# KiCad board haptic display 8x8 aisler.kicad_pcb (continued)
## Routing (per net, layer and track width the routed paths; a pad name or vN(x,y) marks a point on that pad's centre or on a via; arc(x,y) is an arc through that point) (continued)
96.19,66.73 96.4,66.57 96.58,66.4 96.74,66.2 96.88,65.98 96.99,65.75 97.07,65.51 97.12,65.26 97.14,65 97.13,64.74 97.08,64.49 97.01,64.24 96.91,64 96.78,63.77 96.62,63.56 96.44,63.37 96.24,63.21 96.01,63.07 95.78,62.96 95.52,62.87 95.26,62.82 95,62.8 94.75,62.81 94.51,62.85 94.27,62.91 94.04,63 93.82,63.12 93.61,63.26 93.42,63.42 93.25,63.61 93.1,63.81 92.98,64.03 92.88,64.26 92.8,64.5 92.76,64.75 92.74,65 92.75,65.25 92.79,65.51 92.85,65.75 92.95,65.99 93.07,66.22 93.21,66.43 93.38,66.62 93.57,66.8 93.77,66.95 94,67.08 94.24,67.18 94.48,67.26 94.74,67.31 95,67.33 95.26,67.31 95.52,67.28 95.77,67.21 96.02,67.11 96.25,66.99 96.47,66.84 96.67,66.67 96.85,66.47 97,66.26 97.13,66.03 97.24,65.78 97.32,65.53 97.37,65.27 97.39,65 97.38,64.73 97.34,64.47 97.27,64.21 97.17,63.96 97.04,63.72 96.89,63.49 96.71,63.29 96.51,63.11 96.29,62.94 96.06,62.81 95.8,62.7 95.54,62.62 95.27,62.57 95,62.55 94.74,62.56 94.49,62.6 94.24,62.66 94,62.75 93.76,62.86 93.55,63 93.34,63.16 93.15,63.34 92.99,63.54 92.84,63.75 92.72,63.98 92.62,64.23 92.55,64.48 92.51,64.74 92.49,65 92.5,65.26 92.53,65.52 92.6,65.78 92.69,66.03 92.81,66.27 92.95,66.49 93.11,66.7 93.3,66.89 93.5,67.06 93.72,67.21 93.96,67.34 94.21,67.44 94.47,67.51 94.73,67.56 95,67.58 95.27,67.57 95.54,67.53 95.8,67.46 96.05,67.37 96.3,67.25 96.53,67.1 96.74,66.94 96.94,66.75 97.11,66.54 97.27,66.31 97.39,66.07 97.5,65.81 97.57,65.55 97.62,65.28 97.64,65 97.63,64.72 97.59,64.45 97.52,64.18 97.42,63.92 97.3,63.67 97.15,63.44 96.98,63.22 96.79,63.02 96.57,62.84 96.34,62.68 96.09,62.55 95.83,62.44 95.56,62.37 95.28,62.32 95,62.3 94.73,62.31 94.47,62.34 94.21,62.41 93.96,62.49 93.72,62.6 93.49,62.74 93.27,62.89 93.07,63.07 92.89,63.26 92.72,63.48 92.58,63.71 92.46,63.95 92.37,64.2 92.3,64.46 92.25,64.73 92.24,65 92.25,65.27 92.28,65.54 92.35,65.81 92.43,66.06 92.55,66.31 92.68,66.55 92.84,66.77 93.02,66.98 93.23,67.16 93.44,67.33 93.68,67.47 93.92,67.6 94.18,67.69 94.45,67.76 94.72,67.81 95,67.83 95.28,67.82 95.55,67.78 95.82,67.71 96.09,67.62 96.34,67.51 96.58,67.37 96.81,67.2 97.02,67.02 97.21,66.81 97.38,66.59 97.53,66.35 97.65,66.1 97.75,65.83 97.82,65.56 97.87,65.28 97.89,65 97.88,64.72 97.84,64.44 97.77,64.16 97.68,63.89 97.56,63.63 97.42,63.38 97.25,63.15 97.06,62.94 96.85,62.74 96.63,62.57 96.38,62.42 96.12,62.29 95.85,62.19 95.57,62.11 95.29,62.07 95,62.05 94.73,62.06 94.46,62.09 94.19,62.15 93.93,62.24 93.68,62.34 93.44,62.47 93.21,62.63 92.99,62.8 92.8,62.99 92.62,63.2 92.46,63.43 92.32,63.67 92.2,63.92 92.11,64.18 92.05,64.45 92,64.72 91.99,65 92,65.28 92.03,65.55 92.09,65.83 92.18,66.09 92.29,66.35 92.42,66.6 92.58,66.83 92.75,67.05 92.95,67.25 93.16,67.43 93.39,67.6 93.64,67.74 93.89,67.85 94.16,67.95 94.44,68.02 94.72,68.06 95,68.08 95.28,68.07 95.57,68.03 95.84,67.97 96.12,67.88 96.38,67.77 96.63,67.63 96.87,67.47 97.09,67.29 97.3,67.09 97.48,66.88 97.65,66.64 97.79,66.39 97.91,66.13 98.01,65.86 98.08,65.58 98.12,65.29 98.14,65 98.13,64.71 98.09,64.42 98.03,64.14 97.94,63.86 97.83,63.59 97.69,63.34 97.52,63.09 97.34,62.87 97.14,62.66 96.91,62.47 96.67,62.3 96.42,62.15 96.15,62.03 95.87,61.93 95.59,61.86 95.29,61.82 95,61.8 94.72,61.81 94.44,61.84 94.17,61.9 93.9,61.98 93.64,62.08 93.39,62.21 93.15,62.36 92.93,62.53 92.72,62.72 92.52,62.92 92.35,63.14 92.19,63.38 92.06,63.63 91.95,63.89 91.86,64.16 91.79,64.43 91.75,64.72 91.74,65 91.75,65.28 91.78,65.57 91.84,65.85 91.92,66.12 92.03,66.39 92.16,66.64 92.31,66.89 92.48,67.11 92.67,67.33 92.88,67.53 93.11,67.7 93.35,67.86 93.6,68 93.87,68.11 94.14,68.2 94.42,68.27 94.71,68.31 95,68.33 95.29,68.32 95.58,68.28 95.86,68.22 96.14,68.14 96.41,68.03 96.67,67.9 96.92,67.74 97.16,67.57 97.37,67.37 97.57,67.16 97.75,66.93 97.92,66.68 98.05,66.42 98.17,66.15 98.26,65.87 98.33,65.59 98.37,65.29 98.39,65 98.38,64.7 98.34,64.41 98.28,64.12 98.2,63.84 98.09,63.56 97.95,63.3 97.79,63.04 97.62,62.8 97.42,62.58 97.2,62.38 96.96,62.19 96.71,62.03 96.45,61.89 96.18,61.77 95.89,61.68 95.6,61.61 95.3,61.57 95,61.55 94.71,61.56 94.43,61.59 94.15,61.65 93.88,61.72 93.61,61.83 93.35,61.95 93.1,62.09 92.86,62.26 92.64,62.44 92.44,62.64 92.25,62.86 92.08,63.09 91.93,63.34 91.8,63.6 91.69,63.86 91.6,64.14 91.54,64.42 91.5,64.71 91.49,65 91.5,65.29 91.53,65.58 91.59,65.86 91.67,66.14 91.77,66.42 91.89,66.68 92.04,66.93 92.21,67.17 92.39,67.4 92.6,67.61 92.82,67.8 93.06,67.97 93.31,68.13 93.57,68.26 93.84,68.37 94.12,68.46 94.41,68.52 94.71,68.56 95,68.58 95.3,68.57 95.59,68.53 95.88,68.48 96.17,68.39 96.44,68.29 96.71,68.16 96.97,68.01 97.21,67.84 97.44,67.65 97.65,67.44 97.85,67.22 98.03,66.98 98.18,66.72 98.32,66.45 98.43,66.18 98.52,65.89 98.58,65.6 98.62,65.3 98.64,65 98.63,64.7 98.59,64.4 98.54,64.1 98.45,63.81 98.35,63.53 98.22,63.26 98.06,63 97.89,62.75 97.7,62.52 97.49,62.3 97.26,62.1 97.01,61.92 96.75,61.76 96.48,61.63 96.2,61.51 95.91,61.42 95.61,61.36 95.31,61.32 95,61.3 94.71,61.31 94.42,61.34 94.13,61.39 93.85,61.47 93.58,61.57 93.31,61.69 93.06,61.83 92.81,61.99 92.58,62.17 92.36,62.36 92.16,62.57 91.98,62.8 91.81,63.05 91.66,63.3 91.54,63.57 91.43,63.84 91.35,64.12 91.29,64.41 91.25,64.71 91.24,65 91.25,65.3 91.28,65.59 91.33,65.88 91.41,66.17 91.51,66.45 91.63,66.72 91.77,66.98 91.94,67.23 92.12,67.46 92.32,67.68 92.53,67.89 92.77,68.07 93.01,68.24 93.27,68.39 93.54,68.52 93.82,68.63 94.11,68.71 94.4,68.77 94.7,68.81 95,68.83 95.3,68.82 95.6,68.78 95.9,68.73 96.19,68.65 96.47,68.55 96.75,68.42 97.01,68.28 97.26,68.11 97.5,67.93 97.73,67.73 97.93,67.51 98.12,67.27 98.3,67.02 98.45,66.76 98.58,66.48 98.69,66.2 98.77,65.91 98.83,65.61 98.87,65.3 98.89,65 98.88,64.69 98.85,64.39 98.79,64.09 98.71,63.79 98.61,63.51 98.48,63.23 98.33,62.96 98.17,62.7 97.98,62.46 97.77,62.23 97.55,62.02 97.31,61.82 97.05,61.65 96.78,61.5 96.51,61.37 96.22,61.26 95.92,61.17 95.62,61.1 95.31,61.07 95,61.05 94.7,61.06 94.41,61.09 94.12,61.14 93.83,61.21 93.55,61.31 93.28,61.43 93.01,61.56 92.76,61.72 92.52,61.89 92.29,62.08 92.08,62.29 91.88,62.51 91.7,62.75 91.54,63 91.4,63.27 91.28,63.54 91.18,63.82 91.1,64.11 91.04,64.4 91,64.7 90.99,65 91,65.3 91.03,65.6 91.08,65.89 91.15,66.19 91.25,66.47 91.37,66.75 91.51,67.02 91.67,67.27 91.84,67.52 92.04,67.75 92.25,67.97 92.48,68.17 92.72,68.35 92.97,68.51 93.24,68.66 93.52,68.78 93.8,68.88 94.1,68.96 94.39,69.02 94.7,69.06 95,69.08 95.3,69.07 95.61,69.04 95.91,68.98 96.2,68.91 96.49,68.81 96.78,68.69 97.05,68.55 97.31,68.39 97.56,68.21 97.79,68.01 98.01,67.79 98.21,67.56 98.4,67.32 98.57,67.06 98.71,66.79 98.84,66.51 98.94,66.22 99.03,65.92 99.09,65.62 99.12,65.31 99.14,65 99.13,64.69 99.1,64.38 99.04,64.08 98.97,63.78 98.87,63.48 98.74,63.2 98.6,62.92 98.44,62.66 98.26,62.4 98.05,62.17 97.84,61.94 97.6,61.74 97.35,61.55 97.09,61.38 96.81,61.23 96.53,61.1 96.23,61 95.93,60.91 95.63,60.85 95.31,60.81 95,60.8 94.7,60.81 94.4,60.84 94.11,60.89 93.81,60.96 93.53,61.05 93.25,61.16 92.98,61.3 92.72,61.45 92.47,61.62 92.23,61.8 92.01,62.01 91.8,62.23 91.61,62.46 91.43,62.71 91.28,62.97 91.14,63.24 91.02,63.52 90.92,63.8 90.84,64.1 90.79,64.39 90.75,64.7 90.74,65 90.75,65.3 90.78,65.61 90.83,65.91 90.9,66.2 90.99,66.49 91.11,66.78 91.24,67.05 91.4,67.32 91.57,67.57 91.76,67.81 91.96,68.04 92.19,68.25 92.42,68.44 92.67,68.62 92.94,68.78 93.21,68.92 93.49,69.04 93.78,69.14 94.08,69.22 94.39,69.28 94.69,69.31 95,69.33 95.31,69.32 95.62,69.29 95.92,69.23 96.22,69.16 96.52,69.07 96.8,68.95 97.08,68.81 97.35,68.66 97.61,68.48 97.85,68.29 98.08,68.08 98.29,67.85 98.49,67.61 98.67,67.36 98.83,67.09 98.98,66.82 99.1,66.53 99.2,66.23 99.28,65.93 99.34,65.62 99.37,65.31 99.39,65 99.38,64.69 99.35,64.37 99.3,64.07 99.22,63.76 99.12,63.46 99.01,63.17 98.87,62.89 98.71,62.62 98.53,62.36 98.34,62.11 98.12,61.88 97.9,61.66 97.65,61.46 97.39,61.28 97.12,61.11 96.84,60.97 96.55,60.84 96.25,60.74 95.94,60.66 95.63,60.6 95.32,60.56 95,60.55 95,60.35 v1(95.35,60) ; 95.41,48.98 95.36,48.96 95,48.6 95,48.55 94.79,48.56 94.59,48.6 94.39,48.67 94.2,48.76 94.03,48.88 93.88,49.03 93.75,49.19 93.64,49.38 93.56,49.58 93.51,49.79 93.49,50 93.5,50.22 93.54,50.43 93.61,50.64 93.71,50.83 93.84,51.01 93.99,51.17 94.16,51.31 94.35,51.42 94.56,51.5 94.78,51.55 95,51.58 95.22,51.56 95.45,51.52 95.66,51.45 95.86,51.34 96.05,51.21 96.22,51.05 96.36,50.87 96.47,50.67 96.56,50.46 96.62,50.23 96.64,50 96.63,49.77 96.58,49.54 96.51,49.31 96.4,49.1 96.26,48.91 96.09,48.74 95.91,48.59 95.7,48.47 95.48,48.38 95.24,48.32 95,48.3 94.78,48.31 94.56,48.35 94.34,48.41 94.14,48.51 93.95,48.63 93.78,48.78 93.62,48.94 93.49,49.13 93.39,49.33 93.31,49.55 93.26,49.77 93.24,50 93.25,50.23 93.29,50.46 93.36,50.68 93.46,50.89 93.58,51.09 93.73,51.27 93.9,51.43 94.1,51.56 94.31,51.67 94.53,51.75 94.76,51.8 95,51.83 95.24,51.81 95.48,51.77 95.7,51.7 95.92,51.6 96.13,51.47 96.31,51.31 96.48,51.13 96.62,50.93 96.73,50.72 96.81,50.49 96.87,50.25 96.89,50 96.88,49.75 96.83,49.51 96.76,49.27 96.65,49.05 96.52,48.84 96.36,48.64 96.17,48.47 95.96,48.33 95.74,48.21 95.5,48.13 95.25,48.07 95,48.05 94.76,48.06 94.53,48.1 94.3,48.16 94.08,48.26 93.88,48.38 93.69,48.52 93.52,48.68 93.36,48.87 93.24,49.07 93.13,49.29 93.06,49.52 93.01,49.76 92.99,50 93,50.24 93.04,50.48 93.1,50.72 93.2,50.94 93.32,51.16 93.47,51.35 93.64,51.53 93.83,51.69 94.04,51.82 94.27,51.93 94.51,52.01 94.75,52.06 95,52.08 95.25,52.06 95.5,52.02 95.74,51.95 95.97,51.85 96.19,51.73 96.4,51.57 96.58,51.4 96.74,51.2 96.88,50.98 96.99,50.75 97.07,50.51 97.12,50.26 97.14,50 97.13,49.74 97.08,49.49 97.01,49.24 96.91,49 96.78,48.77 96.62,48.56 96.44,48.37 96.24,48.21 96.01,48.07 95.78,47.96 95.52,47.87 95.26,47.82 95,47.8 94.75,47.81 94.51,47.85 94.27,47.91 94.04,48 93.82,48.12 93.61,48.26 93.42,48.42 93.25,48.61 93.1,48.81 92.98,49.03 92.88,49.26 92.8,49.5 92.76,49.75 92.74,50 92.75,50.25 92.79,50.51 92.85,50.75 92.95,50.99 93.07,51.22 93.21,51.43 93.38,51.62 93.57,51.8 93.77,51.95 94,52.08 94.24,52.18 94.48,52.26 94.74,52.31 95,52.33 95.26,52.31 95.52,52.28 95.77,52.21 96.02,52.11 96.25,51.99 96.47,51.84 96.67,51.67 96.85,51.47 97,51.26 97.13,51.03 97.24,50.78 97.32,50.53 97.37,50.27 97.39,50 97.38,49.73 97.34,49.47 97.27,49.21 97.17,48.96 97.04,48.72 96.89,48.49 96.71,48.29 96.51,48.11 96.29,47.94 96.06,47.81 95.8,47.7 95.54,47.62 95.27,47.57 95,47.55 94.74,47.56 94.49,47.6 94.24,47.66 94,47.75 93.76,47.86 93.55,48 93.34,48.16 93.15,48.34 92.99,48.54 92.84,48.75 92.72,48.98 92.62,49.23 92.55,49.48 92.51,49.74 92.49,50 92.5,50.26 92.53,50.52 92.6,50.78 92.69,51.03 92.81,51.27 92.95,51.49 93.11,51.7 93.3,51.89 93.5,52.06 93.72,52.21 93.96,52.34 94.21,52.44 94.47,52.51 94.73,52.56 95,52.58 95.27,52.57 95.54,52.53 95.8,52.46 96.05,52.37 96.3,52.25 96.53,52.1 96.74,51.94 96.94,51.75 97.11,51.54 97.27,51.31 97.39,51.07 97.5,50.81 97.57,50.55 97.62,50.28 97.64,50 97.63,49.72 97.59,49.45 97.52,49.18 97.42,48.92 97.3,48.67 97.15,48.44 96.98,48.22 96.79,48.02 96.57,47.84 96.34,47.68 96.09,47.55 95.83,47.44 95.56,47.37 95.28,47.32 95,47.3 94.73,47.31 94.47,47.34 94.21,47.41 93.96,47.49 93.72,47.6 93.49,47.74 93.27,47.89 93.07,48.07 92.89,48.26 92.72,48.48 92.58,48.71 92.46,48.95 92.37,49.2 92.3,49.46 92.25,49.73 92.24,50 92.25,50.27 92.28,50.54 92.35,50.81 92.43,51.06 92.55,51.31 92.68,51.55 92.84,51.77 93.02,51.98 93.23,52.16 93.44,52.33 93.68,52.47 93.92,52.6 94.18,52.69 94.45,52.76 94.72,52.81 95,52.83 95.28,52.82 95.55,52.78 95.82,52.71 96.09,52.62 96.34,52.51 96.58,52.37 96.81,52.2 97.02,52.02 97.21,51.81 97.38,51.59 97.53,51.35 97.65,51.1 97.75,50.83 97.82,50.56 97.87,50.28 97.89,50 97.88,49.72 97.84,49.44 97.77,49.16 97.68,48.89 97.56,48.63 97.42,48.38 97.25,48.15 97.06,47.94 96.85,47.74 96.63,47.57 96.38,47.42 96.12,47.29 95.85,47.19 95.57,47.11 95.29,47.07 95,47.05 94.73,47.06 94.46,47.09 94.19,47.15 93.93,47.24 93.68,47.34 93.44,47.47 93.21,47.63 92.99,47.8 92.8,47.99 92.62,48.2 92.46,48.43 92.32,48.67 92.2,48.92 92.11,49.18 92.05,49.45 92,49.72 91.99,50 92,50.28 92.03,50.55 92.09,50.83 92.18,51.09 92.29,51.35 92.42,51.6 92.58,51.83 92.75,52.05 92.95,52.25 93.16,52.43 93.39,52.6 93.64,52.74 93.89,52.85 94.16,52.95 94.44,53.02 94.72,53.06 95,53.08 95.28,53.07 95.57,53.03 95.84,52.97 96.12,52.88 96.38,52.77 96.63,52.63 96.87,52.47 97.09,52.29 97.3,52.09 97.48,51.88 97.65,51.64 97.79,51.39 97.91,51.13 98.01,50.86 98.08,50.58 98.12,50.29 98.14,50 98.13,49.71 98.09,49.42 98.03,49.14 97.94,48.86 97.83,48.59 97.69,48.34 97.52,48.09 97.34,47.87 97.14,47.66 96.91,47.47 96.67,47.3 96.42,47.15 96.15,47.03 95.87,46.93 95.59,46.86 95.29,46.82 95,46.8 94.72,46.81 94.44,46.84 94.17,46.9 93.9,46.98 93.64,47.08 93.39,47.21 93.15,47.36 92.93,47.53 92.72,47.72 92.52,47.92 92.35,48.14 92.19,48.38 92.06,48.63 91.95,48.89 91.86,49.16 91.79,49.43 91.75,49.72 91.74,50 91.75,50.28 91.78,50.57 91.84,50.85 91.92,51.12 92.03,51.39 92.16,51.64 92.31,51.89 92.48,52.11 92.67,52.33 92.88,52.53 93.11,52.7 93.35,52.86 93.6,53 93.87,53.11 94.14,53.2 94.42,53.27 94.71,53.31 95,53.33 95.29,53.32 95.58,53.28 95.86,53.22 96.14,53.14 96.41,53.03 96.67,52.9 96.92,52.74 97.16,52.57 97.37,52.37 97.57,52.16 97.75,51.93 97.92,51.68 98.05,51.42 98.17,51.15 98.26,50.87 98.33,50.59 98.37,50.29 98.39,50 98.38,49.7 98.34,49.41 98.28,49.12 98.2,48.84 98.09,48.56 97.95,48.3 97.79,48.04 97.62,47.8 97.42,47.58 97.2,47.38 96.96,47.19 96.71,47.03 96.45,46.89 96.18,46.77 95.89,46.68 95.6,46.61 95.3,46.57 95,46.55 94.71,46.56 94.43,46.59 94.15,46.65 93.88,46.72 93.61,46.83 93.35,46.95 93.1,47.09 92.86,47.26 92.64,47.44 92.44,47.64 92.25,47.86 92.08,48.09 91.93,48.34 91.8,48.6 91.69,48.86 91.6,49.14 91.54,49.42 91.5,49.71 91.49,50 91.5,50.29 91.53,50.58 91.59,50.86 91.67,51.14 91.77,51.42 91.89,51.68 92.04,51.93 92.21,52.17 92.39,52.4 92.6,52.61 92.82,52.8 93.06,52.97 93.31,53.13 93.57,53.26 93.84,53.37 94.12,53.46 94.41,53.52 94.71,53.56 95,53.58 95.3,53.57 95.59,53.53 95.88,53.48 96.17,53.39 96.44,53.29 96.71,53.16 96.97,53.01 97.21,52.84 97.44,52.65 97.65,52.44 97.85,52.22 98.03,51.98 98.18,51.72 98.32,51.45 98.43,51.18 98.52,50.89 98.58,50.6 98.62,50.3 98.64,50 98.63,49.7 98.59,49.4 98.54,49.1 98.45,48.81 98.35,48.53 98.22,48.26 98.06,48 97.89,47.75 97.7,47.52 97.49,47.3 97.26,47.1 97.01,46.92 96.75,46.76 96.48,46.63 96.2,46.51 95.91,46.42 95.61,46.36 95.31,46.32 95,46.3 94.71,46.31 94.42,46.34 94.13,46.39 93.85,46.47 93.58,46.57 93.31,46.69 93.06,46.83 92.81,46.99 92.58,47.17 92.36,47.36 92.16,47.57 91.98,47.8 91.81,48.05 91.66,48.3 91.54,48.57 91.43,48.84 91.35,49.12 91.29,49.41 91.25,49.71 91.24,50 91.25,50.3 91.28,50.59 91.33,50.88 91.41,51.17 91.51,51.45 91.63,51.72 91.77,51.98 91.94,52.23 92.12,52.46 92.32,52.68 92.53,52.89 92.77,53.07 93.01,53.24 93.27,53.39 93.54,53.52 93.82,53.63 94.11,53.71 94.4,53.77 94.7,53.81 95,53.83 95.3,53.82 95.6,53.78 95.9,53.73 96.19,53.65 96.47,53.55 96.75,53.42 97.01,53.28 97.26,53.11 97.5,52.93 97.73,52.73 97.93,52.51 98.12,52.27 98.3,52.02 98.45,51.76 98.58,51.48 98.69,51.2 98.77,50.91 98.83,50.61 98.87,50.3 98.89,50 98.88,49.69 98.85,49.39 98.79,49.09 98.71,48.79 98.61,48.51 98.48,48.23 98.33,47.96 98.17,47.7 97.98,47.46 97.77,47.23 97.55,47.02 97.31,46.82 97.05,46.65 96.78,46.5 96.51,46.37 96.22,46.26 95.92,46.17 95.62,46.1 95.31,46.07 95,46.05 94.7,46.06 94.41,46.09 94.12,46.14 93.83,46.21 93.55,46.31 93.28,46.43 93.01,46.56 92.76,46.72 92.52,46.89 92.29,47.08 92.08,47.29 91.88,47.51 91.7,47.75 91.54,48 91.4,48.27 91.28,48.54 91.18,48.82 91.1,49.11 91.04,49.4 91,49.7 90.99,50 91,50.3 91.03,50.6 91.08,50.89 91.15,51.19 91.25,51.47 91.37,51.75 91.51,52.02 91.67,52.27 91.84,52.52 92.04,52.75 92.25,52.97 92.48,53.17 92.72,53.35 92.97,53.51 93.24,53.66 93.52,53.78 93.8,53.88 94.1,53.96 94.39,54.02 94.7,54.06 95,54.08 95.3,54.07 95.61,54.04 95.91,53.98 96.2,53.91 96.49,53.81 96.78,53.69 97.05,53.55 97.31,53.39 97.56,53.21 97.79,53.01 98.01,52.79 98.21,52.56 98.4,52.32 98.57,52.06 98.71,51.79 98.84,51.51 98.94,51.22 99.03,50.92 99.09,50.62 99.12,50.31 99.14,50 99.13,49.69 99.1,49.38 99.04,49.08 98.97,48.78 98.87,48.48 98.74,48.2 98.6,47.92 98.44,47.66 98.26,47.4 98.05,47.17 97.84,46.94 97.6,46.74 97.35,46.55 97.09,46.38 96.81,46.23 96.53,46.1 96.23,46 95.93,45.91 95.63,45.85 95.31,45.81 95,45.8 94.7,45.81 94.4,45.84 94.11,45.89 93.81,45.96 93.53,46.05 93.25,46.16 92.98,46.3 92.72,46.45 92.47,46.62 92.23,46.8 92.01,47.01 91.8,47.23 91.61,47.46 91.43,47.71 91.28,47.97 91.14,48.24 91.02,48.52 90.92,48.8 90.84,49.1 90.79,49.39 90.75,49.7 90.74,50 90.75,50.3 90.78,50.61 90.83,50.91 90.9,51.2 90.99,51.49 91.11,51.78 91.24,52.05 91.4,52.32 91.57,52.57 91.76,52.81 91.96,53.04 92.19,53.25 92.42,53.44 92.67,53.62 92.94,53.78 93.21,53.92 93.49,54.04 93.78,54.14 94.08,54.22 94.39,54.28 94.69,54.31 95,54.33 95.31,54.32 95.62,54.29 95.92,54.23 96.22,54.16 96.52,54.07 96.8,53.95 97.08,53.81 97.35,53.66 97.61,53.48 97.85,53.29 98.08,53.08 98.29,52.85 98.49,52.61 98.67,52.36 98.83,52.09 98.98,51.82 99.1,51.53 99.2,51.23 99.28,50.93 99.34,50.62 99.37,50.31 99.39,50 99.38,49.69 99.35,49.37 99.3,49.07 99.22,48.76 99.12,48.46 99.01,48.17 98.87,47.89 98.71,47.62 98.53,47.36 98.34,47.11 98.12,46.88 97.9,46.66 97.65,46.46 97.39,46.28 97.12,46.11 96.84,45.97 96.55,45.84 96.25,45.74 95.94,45.66 95.63,45.6 95.32,45.56 95,45.55 95,45.35 v1(95.35,45) ; 95.41,33.98 95.36,33.96 95,33.6 95,33.55 94.79,33.56 94.59,33.6 94.39,33.67 94.2,33.76 94.03,33.88 93.88,34.03 93.75,34.19 93.64,34.38 93.56,34.58 93.51,34.79 93.49,35 93.5,35.22 93.54,35.43 93.61,35.64 93.71,35.83 93.84,36.01 93.99,36.17 94.16,36.31 94.35,36.42 94.56,36.5 94.78,36.55 95,36.57 95.22,36.56 95.45,36.52 95.66,36.45 95.86,36.34 96.05,36.21 96.22,36.05 96.36,35.87 96.47,35.67 96.56,35.46 96.62,35.23 96.64,35 96.63,34.77 96.58,34.54 96.51,34.31 96.4,34.1 96.26,33.91 96.09,33.74 95.91,33.59 95.7,33.47 95.48,33.38 95.24,33.32 95,33.3 94.78,33.31 94.56,33.35 94.34,33.41 94.14,33.51 93.95,33.63 93.78,33.78 93.62,33.94 93.49,34.13 93.39,34.33 93.31,34.55 93.26,34.77 93.24,35 93.25,35.23 93.29,35.46 93.36,35.68 93.46,35.89 93.58,36.09 93.73,36.27 93.9,36.43 94.1,36.56 94.31,36.67 94.53,36.75 94.76,36.8 95,36.82 95.24,36.81 95.48,36.77 95.7,36.7 95.92,36.6 96.13,36.47 96.31,36.31 96.48,36.13 96.62,35.93 96.73,35.72 96.81,35.49 96.87,35.25 96.89,35 96.88,34.75 96.83,34.51 96.76,34.27 96.65,34.05 96.52,33.84 96.36,33.64 96.17,33.47 95.96,33.33 95.74,33.21 95.5,33.13 95.25,33.07 95,33.05 94.76,33.06 94.53,33.1 94.3,33.16 94.08,33.26 93.88,33.38 93.69,33.52 93.52,33.68 93.36,33.87 93.24,34.07 93.13,34.29 93.06,34.52 93.01,34.76 92.99,35 93,35.24 93.04,35.48 93.1,35.72 93.2,35.94 93.32,36.16 93.47,36.35 93.64,36.53 93.83,36.69 94.04,36.82 94.27,36.93 94.51,37.01 94.75,37.06 95,37.07 95.25,37.06 95.5,37.02 95.74,36.95 95.97,36.85 96.19,36.73 96.4,36.57 96.58,36.4 96.74,36.2 96.88,35.98 96.99,35.75 97.07,35.51 97.12,35.26 97.14,35 97.13,34.74 97.08,34.49 97.01,34.24 96.91,34 96.78,33.77 96.62,33.56 96.44,33.37 96.24,33.21 96.01,33.07 95.78,32.96 95.52,32.87 95.26,32.82 95,32.8 94.75,32.81 94.51,32.85 94.27,32.91 94.04,33 93.82,33.12 93.61,33.26 93.42,33.42 93.25,33.61 93.1,33.81 92.98,34.03 92.88,34.26 92.8,34.5 92.76,34.75 92.74,35 92.75,35.25 92.79,35.51 92.85,35.75 92.95,35.99 93.07,36.22 93.21,36.43 93.38,36.62 93.57,36.8 93.77,36.95 94,37.08 94.24,37.18 94.48,37.26 94.74,37.31 95,37.32 95.26,37.31 95.52,37.28 95.77,37.21 96.02,37.11 96.25,36.99 96.47,36.84 96.67,36.67 96.85,36.47 97,36.26 97.13,36.03 97.24,35.78 97.32,35.53 97.37,35.27 97.39,35 97.38,34.73 97.34,34.47 97.27,34.21 97.17,33.96 97.04,33.72 96.89,33.49 96.71,33.29 96.51,33.11 96.29,32.94 96.06,32.81 95.8,32.7 95.54,32.62 95.27,32.57 95,32.55 94.74,32.56 94.49,32.6 94.24,32.66 94,32.75 93.76,32.86 93.55,33 93.34,33.16 93.15,33.34 92.99,33.54 92.84,33.75 92.72,33.98 92.62,34.23 92.55,34.48 92.51,34.74 92.49,35 92.5,35.26 92.53,35.52 92.6,35.78 92.69,36.03 92.81,36.27 92.95,36.49 93.11,36.7 93.3,36.89 93.5,37.06 93.72,37.21 93.96,37.34 94.21,37.44 94.47,37.51 94.73,37.56 95,37.57 95.27,37.57 95.54,37.53 95.8,37.46 96.05,37.37 96.3,37.25 96.53,37.1 96.74,36.94 96.94,36.75 97.11,36.54 97.27,36.31 97.39,36.07 97.5,35.81 97.57,35.55 97.62,35.28 97.64,35 97.63,34.72 97.59,34.45 97.52,34.18 97.42,33.92 97.3,33.67 97.15,33.44 96.98,33.22 96.79,33.02 96.57,32.84 96.34,32.68 96.09,32.55 95.83,32.44 95.56,32.37 95.28,32.32 95,32.3 94.73,32.31 94.47,32.34 94.21,32.41 93.96,32.49 93.72,32.6 93.49,32.74 93.27,32.89 93.07,33.07 92.89,33.26 92.72,33.48 92.58,33.71 92.46,33.95 92.37,34.2 92.3,34.46 92.25,34.73 92.24,35 92.25,35.27 92.28,35.54 92.35,35.81 92.43,36.06 92.55,36.31 92.68,36.55 92.84,36.77 93.02,36.98 93.23,37.16 93.44,37.33 93.68,37.47 93.92,37.6 94.18,37.69 94.45,37.76 94.72,37.81 95,37.82 95.28,37.82 95.55,37.78 95.82,37.71 96.09,37.62 96.34,37.51 96.58,37.37 96.81,37.2 97.02,37.02 97.21,36.81 97.38,36.59 97.53,36.35 97.65,36.1 97.75,35.83 97.82,35.56 97.87,35.28 97.89,35 97.88,34.72 97.84,34.44 97.77,34.16 97.68,33.89 97.56,33.63 97.42,33.38 97.25,33.15 97.06,32.94 96.85,32.74 96.63,32.57 96.38,32.42 96.12,32.29 95.85,32.19 95.57,32.11 95.29,32.07 95,32.05 94.73,32.06 94.46,32.09 94.19,32.15 93.93,32.24 93.68,32.34 93.44,32.47 93.21,32.63 92.99,32.8 92.8,32.99 92.62,33.2 92.46,33.43 92.32,33.67 92.2,33.92 92.11,34.18 92.05,34.45 92,34.72 91.99,35 92,35.28 92.03,35.55 92.09,35.83 92.18,36.09 92.29,36.35 92.42,36.6 92.58,36.83 92.75,37.05 92.95,37.25 93.16,37.43 93.39,37.6 93.64,37.74 93.89,37.85 94.16,37.95 94.44,38.02 94.72,38.06 95,38.07 95.28,38.07 95.57,38.03 95.84,37.97 96.12,37.88 96.38,37.77 96.63,37.63 96.87,37.47 97.09,37.29 97.3,37.09 97.48,36.88 97.65,36.64 97.79,36.39 97.91,36.13 98.01,35.86 98.08,35.58 98.12,35.29 98.14,35 98.13,34.71 98.09,34.42 98.03,34.14 97.94,33.86 97.83,33.59 97.69,33.34 97.52,33.09 97.34,32.87 97.14,32.66 96.91,32.47 96.67,32.3 96.42,32.15 96.15,32.03 95.87,31.93 95.59,31.86 95.29,31.82 95,31.8 94.72,31.81 94.44,31.84 94.17,31.9 93.9,31.98 93.64,32.08 93.39,32.21 93.15,32.36 92.93,32.53 92.72,32.72 92.52,32.92 92.35,33.14 92.19,33.38 92.06,33.63 91.95,33.89 91.86,34.16 91.79,34.43 91.75,34.72 91.74,35 91.75,35.28 91.78,35.57 91.84,35.85 91.92,36.12 92.03,36.39 92.16,36.64 92.31,36.89 92.48,37.11 92.67,37.33 92.88,37.53 93.11,37.7 93.35,37.86 93.6,38 93.87,38.11 94.14,38.2 94.42,38.27 94.71,38.31 95,38.32 95.29,38.32 95.58,38.28 95.86,38.22 96.14,38.14 96.41,38.03 96.67,37.9 96.92,37.74 97.16,37.57 97.37,37.37 97.57,37.16 97.75,36.93 97.92,36.68 98.05,36.42 98.17,36.15 98.26,35.87 98.33,35.59 98.37,35.29 98.39,35 98.38,34.7 98.34,34.41 98.28,34.12 98.2,33.84 98.09,33.56 97.95,33.3 97.79,33.04 97.62,32.8 97.42,32.58 97.2,32.38 96.96,32.19 96.71,32.03 96.45,31.89 96.18,31.77 95.89,31.68 95.6,31.61 95.3,31.57 95,31.55 94.71,31.56 94.43,31.59 94.15,31.65 93.88,31.72 93.61,31.83 93.35,31.95 93.1,32.09 92.86,32.26 92.64,32.44 92.44,32.64 92.25,32.86 92.08,33.09 91.93,33.34 91.8,33.6 91.69,33.86 91.6,34.14 91.54,34.42 91.5,34.71 91.49,35 91.5,35.29 91.53,35.58 91.59,35.86 91.67,36.14 91.77,36.42 91.89,36.68 92.04,36.93 92.21,37.17 92.39,37.4 92.6,37.61 92.82,37.8 93.06,37.97 93.31,38.13 93.57,38.26 93.84,38.37 94.12,38.46 94.41,38.52 94.71,38.56 95,38.57 95.3,38.57 95.59,38.53 95.88,38.48 96.17,38.39 96.44,38.29 96.71,38.16 96.97,38.01 97.21,37.84 97.44,37.65 97.65,37.44 97.85,37.22 98.03,36.98 98.18,36.72 98.32,36.45 98.43,36.18 98.52,35.89 98.58,35.6 98.62,35.3 98.64,35 98.63,34.7 98.59,34.4 98.54,34.1 98.45,33.81 98.35,33.53 98.22,33.26 98.06,33 97.89,32.75 97.7,32.52 97.49,32.3 97.26,32.1 97.01,31.92 96.75,31.76 96.48,31.63 96.2,31.51 95.91,31.42 95.61,31.36 95.31,31.32 95,31.3 94.71,31.31 94.42,31.34 94.13,31.39 93.85,31.47 93.58,31.57 93.31,31.69 93.06,31.83 92.81,31.99 92.58,32.17 92.36,32.36 92.16,32.57 91.98,32.8 91.81,33.05 91.66,33.3 91.54,33.57 91.43,33.84 91.35,34.12 91.29,34.41 91.25,34.71 91.24,35 91.25,35.3 91.28,35.59 91.33,35.88 91.41,36.17 91.51,36.45 91.63,36.72 91.77,36.98 91.94,37.23 92.12,37.46 92.32,37.68 92.53,37.89 92.77,38.07 93.01,38.24 93.27,38.39 93.54,38.52 93.82,38.63 94.11,38.71 94.4,38.77 94.7,38.81 95,38.82 95.3,38.82 95.6,38.78 95.9,38.73 96.19,38.65 96.47,38.55 96.75,38.42 97.01,38.28 97.26,38.11 97.5,37.93 97.73,37.73 97.93,37.51 98.12,37.27 98.3,37.02 98.45,36.76 98.58,36.48 98.69,36.2 98.77,35.91 98.83,35.61 98.87,35.3 98.89,35 98.88,34.69 98.85,34.39 98.79,34.09 98.71,33.79 98.61,33.51 98.48,33.23 98.33,32.96 98.17,32.7 97.98,32.46 97.77,32.23 97.55,32.02 97.31,31.82 97.05,31.65 96.78,31.5 96.51,31.37 96.22,31.26 95.92,31.17 95.62,31.1 95.31,31.07 95,31.05 94.7,31.06 94.41,31.09 94.12,31.14 93.83,31.21 93.55,31.31 93.28,31.43 93.01,31.56 92.76,31.72 92.52,31.89 92.29,32.08 92.08,32.29 91.88,32.51 91.7,32.75 91.54,33 91.4,33.27 91.28,33.54 91.18,33.82 91.1,34.11 91.04,34.4 91,34.7 90.99,35 91,35.3 91.03,35.6 91.08,35.89 91.15,36.19 91.25,36.47 91.37,36.75 91.51,37.02 91.67,37.27 91.84,37.52 92.04,37.75 92.25,37.97 92.48,38.17 92.72,38.35 92.97,38.51 93.24,38.66 93.52,38.78 93.8,38.88 94.1,38.96 94.39,39.02 94.7,39.06 95,39.07 95.3,39.07 95.61,39.04 95.91,38.98 96.2,38.91 96.49,38.81 96.78,38.69 97.05,38.55 97.31,38.39 97.56,38.21 97.79,38.01 98.01,37.79 98.21,37.56 98.4,37.32 98.57,37.06 98.71,36.79 98.84,36.51 98.94,36.22 99.03,35.92 99.09,35.62 99.12,35.31 99.14,35 99.13,34.69 99.1,34.38 99.04,34.08 98.97,33.78 98.87,33.48 98.74,33.2 98.6,32.92 98.44,32.66 98.26,32.4 98.05,32.17 97.84,31.94 97.6,31.74 97.35,31.55 97.09,31.38 96.81,31.23 96.53,31.1 96.23,31 95.93,30.91 95.63,30.85 95.31,30.81 95,30.8 94.7,30.81 94.4,30.84 94.11,30.89 93.81,30.96 93.53,31.05 93.25,31.16 92.98,31.3 92.72,31.45 92.47,31.62 92.23,31.8 92.01,32.01 91.8,32.23 91.61,32.46 91.43,32.71 91.28,32.97 91.14,33.24 91.02,33.52 90.92,33.8 90.84,34.1 90.79,34.39 90.75,34.7 90.74,35 90.75,35.3 90.78,35.61 90.83,35.91 90.9,36.2 90.99,36.49 91.11,36.78 91.24,37.05 91.4,37.32 91.57,37.57 91.76,37.81 91.96,38.04 92.19,38.25 92.42,38.44 92.67,38.62 92.94,38.78 93.21,38.92 93.49,39.04 93.78,39.14 94.08,39.22 94.39,39.28 94.69,39.31 95,39.32 95.31,39.32 95.62,39.29 95.92,39.23 96.22,39.16 96.52,39.07 96.8,38.95 97.08,38.81 97.35,38.66 97.61,38.48 97.85,38.29 98.08,38.08 98.29,37.85 98.49,37.61 98.67,37.36 98.83,37.09 98.98,36.82 99.1,36.53 99.2,36.23 99.28,35.93 99.34,35.62 99.37,35.31 99.39,35 99.38,34.69 99.35,34.37 99.3,34.07 99.22,33.76 99.12,33.46 99.01,33.17 98.87,32.89 98.71,32.62 98.53,32.36 98.34,32.11 98.12,31.88 97.9,31.66 97.65,31.46 97.39,31.28 97.12,31.11 96.84,30.97 96.55,30.84 96.25,30.74 95.94,30.66 95.63,30.6 95.32,30.56 95,30.55 95,30.35 v1(95.35,30) ; 95.41,18.98 95.36,18.96 95,18.6 95,18.55 94.79,18.56 94.59,18.6 94.39,18.67 94.2,18.76 94.03,18.88 93.88,19.03 93.75,19.19 93.64,19.38 93.56,19.58 93.51,19.79 93.49,20 93.5,20.22 93.54,20.43 93.61,20.64 93.71,20.83 93.84,21.01 93.99,21.17 94.16,21.31 94.35,21.42 94.56,21.5 94.78,21.55 95,21.57 95.22,21.56 95.45,21.52 95.66,21.45 95.86,21.34 96.05,21.21 96.22,21.05 96.36,20.87 96.47,20.67 96.56,20.46 96.62,20.23 96.64,20 96.63,19.77 96.58,19.54 96.51,19.31 96.4,19.1 96.26,18.91 96.09,18.74 95.91,18.59 95.7,18.47 95.48,18.38 95.24,18.32 95,18.3 94.78,18.31 94.56,18.35 94.34,18.41 94.14,18.51 93.95,18.63 93.78,18.78 93.62,18.94 93.49,19.13 93.39,19.33 93.31,19.55 93.26,19.77 93.24,20 93.25,20.23 93.29,20.46 93.36,20.68 93.46,20.89 93.58,21.09 93.73,21.27 93.9,21.43 94.1,21.56 94.31,21.67 94.53,21.75 94.76,21.8 95,21.82 95.24,21.81 95.48,21.77 95.7,21.7 95.92,21.6 96.13,21.47 96.31,21.31 96.48,21.13 96.62,20.93 96.73,20.72 96.81,20.49 96.87,20.25 96.89,20 96.88,19.75 96.83,19.51 96.76,19.27 96.65,19.05 96.52,18.84 96.36,18.64 96.17,18.47 95.96,18.33 95.74,18.21 95.5,18.13 95.25,18.07 95,18.05 94.76,18.06 94.53,18.1 94.3,18.16 94.08,18.26 93.88,18.38 93.69,18.52 93.52,18.68 93.36,18.87 93.24,19.07 93.13,19.29 93.06,19.52 93.01,19.76 92.99,20 93,20.24 93.04,20.48 93.1,20.72 93.2,20.94 93.32,21.16 93.47,21.35 93.64,21.53 93.83,21.69 94.04,21.82 94.27,21.93 94.51,22.01 94.75,22.06 95,22.07 95.25,22.06 95.5,22.02 95.74,21.95 95.97,21.85 96.19,21.73 96.4,21.57 96.58,21.4 96.74,21.2 96.88,20.98 96.99,20.75 97.07,20.51 97.12,20.26 97.14,20 97.13,19.74 97.08,19.49 97.01,19.24 96.91,19 96.78,18.77 96.62,18.56 96.44,18.37 96.24,18.21 96.01,18.07 95.78,17.96 95.52,17.87 95.26,17.82 95,17.8 94.75,17.81 94.51,17.85 94.27,17.91 94.04,18 93.82,18.12 93.61,18.26 93.42,18.42 93.25,18.61 93.1,18.81 92.98,19.03 92.88,19.26 92.8,19.5 92.76,19.75 92.74,20 92.75,20.25 92.79,20.51 92.85,20.75 92.95,20.99 93.07,21.22 93.21,21.43 93.38,21.62 93.57,21.8 93.77,21.95 94,22.08 94.24,22.18 94.48,22.26 94.74,22.31 95,22.32 95.26,22.31 95.52,22.28 95.77,22.21 96.02,22.11 96.25,21.99 96.47,21.84 96.67,21.67 96.85,21.47 97,21.26 97.13,21.03 97.24,20.78 97.32,20.53 97.37,20.27 97.39,20 97.38,19.73 97.34,19.47 97.27,19.21 97.17,18.96 97.04,18.72 96.89,18.49 96.71,18.29 96.51,18.11 96.29,17.94 96.06,17.81 95.8,17.7 95.54,17.62 95.27,17.57 95,17.55 94.74,17.56 94.49,17.6 94.24,17.66 94,17.75 93.76,17.86 93.55,18 93.34,18.16 93.15,18.34 92.99,18.54 92.84,18.75 92.72,18.98 92.62,19.23 92.55,19.48 92.51,19.74 92.49,20 92.5,20.26 92.53,20.52 92.6,20.78 92.69,21.03 92.81,21.27 92.95,21.49 93.11,21.7 93.3,21.89 93.5,22.06 93.72,22.21 93.96,22.34 94.21,22.44 94.47,22.51 94.73,22.56 95,22.57 95.27,22.57 95.54,22.53 95.8,22.46 96.05,22.37 96.3,22.25 96.53,22.1 96.74,21.94 96.94,21.75 97.11,21.54 97.27,21.31 97.39,21.07 97.5,20.81 97.57,20.55 97.62,20.28 97.64,20 97.63,19.72 97.59,19.45 97.52,19.18 97.42,18.92 97.3,18.67 97.15,18.44 96.98,18.22 96.79,18.02 96.57,17.84 96.34,17.68 96.09,17.55 95.83,17.44 95.56,17.37 95.28,17.32 95,17.3 94.73,17.31 94.47,17.34 94.21,17.41 93.96,17.49 93.72,17.6 93.49,17.74 93.27,17.89 93.07,18.07 92.89,18.26 92.72,18.48 92.58,18.71 92.46,18.95 92.37,19.2 92.3,19.46 92.25,19.73 92.24,20 92.25,20.27 92.28,20.54 92.35,20.81 92.43,21.06 92.55,21.31 92.68,21.55 92.84,21.77 93.02,21.98 93.23,22.16 93.44,22.33 93.68,22.47 93.92,22.6 94.18,22.69 94.45,22.76 94.72,22.81 95,22.82 95.28,22.82 95.55,22.78 95.82,22.71 96.09,22.62 96.34,22.51 96.58,22.37 96.81,22.2 97.02,22.02 97.21,21.81 97.38,21.59 97.53,21.35 97.65,21.1 97.75,20.83 97.82,20.56 97.87,20.28 97.89,20 97.88,19.72 97.84,19.44 97.77,19.16 97.68,18.89 97.56,18.63 97.42,18.38 97.25,18.15 97.06,17.94 96.85,17.74 96.63,17.57 96.38,17.42 96.12,17.29 95.85,17.19 95.57,17.11 95.29,17.07 95,17.05 94.73,17.06 94.46,17.09 94.19,17.15 93.93,17.24 93.68,17.34 93.44,17.47 93.21,17.63 92.99,17.8 92.8,17.99 92.62,18.2 92.46,18.43 92.32,18.67 92.2,18.92 92.11,19.18 92.05,19.45 92,19.72 91.99,20 92,20.28 92.03,20.55 92.09,20.83 92.18,21.09 92.29,21.35 92.42,21.6 92.58,21.83 92.75,22.05 92.95,22.25 93.16,22.43 93.39,22.6 93.64,22.74 93.89,22.85 94.16,22.95 94.44,23.02 94.72,23.06 95,23.07 95.28,23.07 95.57,23.03 95.84,22.97 96.12,22.88 96.38,22.77 96.63,22.63 96.87,22.47 97.09,22.29 97.3,22.09 97.48,21.88 97.65,21.64 97.79,21.39 97.91,21.13 98.01,20.86 98.08,20.58 98.12,20.29 98.14,20 98.13,19.71 98.09,19.42 98.03,19.14 97.94,18.86 97.83,18.59 97.69,18.34 97.52,18.09 97.34,17.87 97.14,17.66 96.91,17.47 96.67,17.3 96.42,17.15 96.15,17.03 95.87,16.93 95.59,16.86 95.29,16.82 95,16.8 94.72,16.81 94.44,16.84 94.17,16.9 93.9,16.98 93.64,17.08 93.39,17.21 93.15,17.36 92.93,17.53 92.72,17.72 92.52,17.92 92.35,18.14 92.19,18.38 92.06,18.63 91.95,18.89 91.86,19.16 91.79,19.43 91.75,19.72 91.74,20 91.75,20.28 91.78,20.57 91.84,20.85 91.92,21.12 92.03,21.39 92.16,21.64 92.31,21.89 92.48,22.11 92.67,22.33 92.88,22.53 93.11,22.7 93.35,22.86 93.6,23 93.87,23.11 94.14,23.2 94.42,23.27 94.71,23.31 95,23.32 95.29,23.32 95.58,23.28 95.86,23.22 96.14,23.14 96.41,23.03 96.67,22.9 96.92,22.74 97.16,22.57 97.37,22.37 97.57,22.16 97.75,21.93 97.92,21.68 98.05,21.42 98.17,21.15 98.26,20.87 98.33,20.59 98.37,20.29 98.39,20 98.38,19.7 98.34,19.41 98.28,19.12 98.2,18.84 98.09,18.56 97.95,18.3 97.79,18.04 97.62,17.8 97.42,17.58 97.2,17.38 96.96,17.19 96.71,17.03 96.45,16.89 96.18,16.77 95.89,16.68 95.6,16.61 95.3,16.57 95,16.55 94.71,16.56 94.43,16.59 94.15,16.65 93.88,16.72 93.61,16.83 93.35,16.95 93.1,17.09 92.86,17.26 92.64,17.44 92.44,17.64 92.25,17.86 92.08,18.09 91.93,18.34 91.8,18.6 91.69,18.86 91.6,19.14 91.54,19.42 91.5,19.71 91.49,20 91.5,20.29 91.53,20.58 91.59,20.86 91.67,21.14 91.77,21.42 91.89,21.68 92.04,21.93 92.21,22.17 92.39,22.4 92.6,22.61 92.82,22.8 93.06,22.97 93.31,23.13 93.57,23.26 93.84,23.37 94.12,23.46 94.41,23.52 94.71,23.56 95,23.57 95.3,23.57 95.59,23.53 95.88,23.48 96.17,23.39 96.44,23.29 96.71,23.16 96.97,23.01 97.21,22.84 97.44,22.65 97.65,22.44 97.85,22.22 98.03,21.98 98.18,21.72 98.32,21.45 98.43,21.18 98.52,20.89 98.58,20.6 98.62,20.3 98.64,20 98.63,19.7 98.59,19.4 98.54,19.1 98.45,18.81 98.35,18.53 98.22,18.26 98.06,18 97.89,17.75 97.7,17.52 97.49,17.3 97.26,17.1 97.01,16.92 96.75,16.76 96.48,16.63 96.2,16.51 95.91,16.42 95.61,16.36 95.31,16.32 95,16.3 94.71,16.31 94.42,16.34 94.13,16.39 93.85,16.47 93.58,16.57 93.31,16.69 93.06,16.83 92.81,16.99 92.58,17.17 92.36,17.36 92.16,17.57 91.98,17.8 91.81,18.05 91.66,18.3 91.54,18.57 91.43,18.84 91.35,19.12 91.29,19.41 91.25,19.71 91.24,20 91.25,20.3 91.28,20.59 91.33,20.88 91.41,21.17 91.51,21.45 91.63,21.72 91.77,21.98 91.94,22.23 92.12,22.46 92.32,22.68 92.53,22.89 92.77,23.07 93.01,23.24 93.27,23.39 93.54,23.52 93.82,23.63 94.11,23.71 94.4,23.77 94.7,23.81 95,23.82 95.3,23.82 95.6,23.78 95.9,23.73 96.19,23.65 96.47,23.55 96.75,23.42 97.01,23.28 97.26,23.11 97.5,22.93 97.73,22.73 97.93,22.51 98.12,22.27 98.3,22.02 98.45,21.76 98.58,21.48 98.69,21.2 98.77,20.91 98.83,20.61 98.87,20.3 98.89,20 98.88,19.69 98.85,19.39 98.79,19.09 98.71,18.79 98.61,18.51 98.48,18.23 98.33,17.96 98.17,17.7 97.98,17.46 97.77,17.23 97.55,17.02 97.31,16.82 97.05,16.65 96.78,16.5 96.51,16.37 96.22,16.26 95.92,16.17 95.62,16.1 95.31,16.07 95,16.05 94.7,16.06 94.41,16.09 94.12,16.14 93.83,16.21 93.55,16.31 93.28,16.43 93.01,16.56 92.76,16.72 92.52,16.89 92.29,17.08 92.08,17.29 91.88,17.51 91.7,17.75 91.54,18 91.4,18.27 91.28,18.54 91.18,18.82 91.1,19.11 91.04,19.4 91,19.7 90.99,20 91,20.3 91.03,20.6 91.08,20.89 91.15,21.19 91.25,21.47 91.37,21.75 91.51,22.02 91.67,22.27 91.84,22.52 92.04,22.75 92.25,22.97 92.48,23.17 92.72,23.35 92.97,23.51 93.24,23.66 93.52,23.78 93.8,23.88 94.1,23.96 94.39,24.02 94.7,24.06 95,24.07 95.3,24.07 95.61,24.04 95.91,23.98 96.2,23.91 96.49,23.81 96.78,23.69 97.05,23.55 97.31,23.39 97.56,23.21 97.79,23.01 98.01,22.79 98.21,22.56 98.4,22.32 98.57,22.06 98.71,21.79 98.84,21.51 98.94,21.22 99.03,20.92 99.09,20.62 99.12,20.31 99.14,20 99.13,19.69 99.1,19.38 99.04,19.08 98.97,18.78 98.87,18.48 98.74,18.2 98.6,17.92 98.44,17.66 98.26,17.4 98.05,17.17 97.84,16.94 97.6,16.74 97.35,16.55 97.09,16.38 96.81,16.23 96.53,16.1 96.23,16 95.93,15.91 95.63,15.85 95.31,15.81 95,15.8 94.7,15.81 94.4,15.84 94.11,15.89 93.81,15.96 93.53,16.05 93.25,16.16 92.98,16.3 92.72,16.45 92.47,16.62 92.23,16.8 92.01,17.01 91.8,17.23 91.61,17.46 91.43,17.71 91.28,17.97 91.14,18.24 91.02,18.52 90.92,18.8 90.84,19.1 90.79,19.39 90.75,19.7 90.74,20 90.75,20.3 90.78,20.61 90.83,20.91 90.9,21.2 90.99,21.49 91.11,21.78 91.24,22.05 91.4,22.32 91.57,22.57 91.76,22.81 91.96,23.04 92.19,23.25 92.42,23.44 92.67,23.62 92.94,23.78 93.21,23.92 93.49,24.04 93.78,24.14 94.08,24.22 94.39,24.28 94.69,24.31 95,24.32 95.31,24.32 95.62,24.29 95.92,24.23 96.22,24.16 96.52,24.07 96.8,23.95 97.08,23.81 97.35,23.66 97.61,23.48 97.85,23.29 98.08,23.08 98.29,22.85 98.49,22.61 98.67,22.36 98.83,22.09 98.98,21.82 99.1,21.53 99.2,21.23 99.28,20.93 99.34,20.62 99.37,20.31 99.39,20 99.38,19.69 99.35,19.37 99.3,19.07 99.22,18.76 99.12,18.46 99.01,18.17 98.87,17.89 98.71,17.62 98.53,17.36 98.34,17.11 98.12,16.88 97.9,16.66 97.65,16.46 97.39,16.28 97.12,16.11 96.84,15.97 96.55,15.84 96.25,15.74 95.94,15.66 95.63,15.6 95.32,15.56 95,15.55 95,15.35 v1(95.35,15)